# Altium PCB PCB3.PcbDoc
Units mil, origin at the board's own origin, x right, y up, seen from the top; angles counter-clockwise.
Board outline 3795 x 2975 mil, 2 copper layers (Top Layer, Bottom Layer); 23 components, 43 nets, 168 pads, 30 vias.
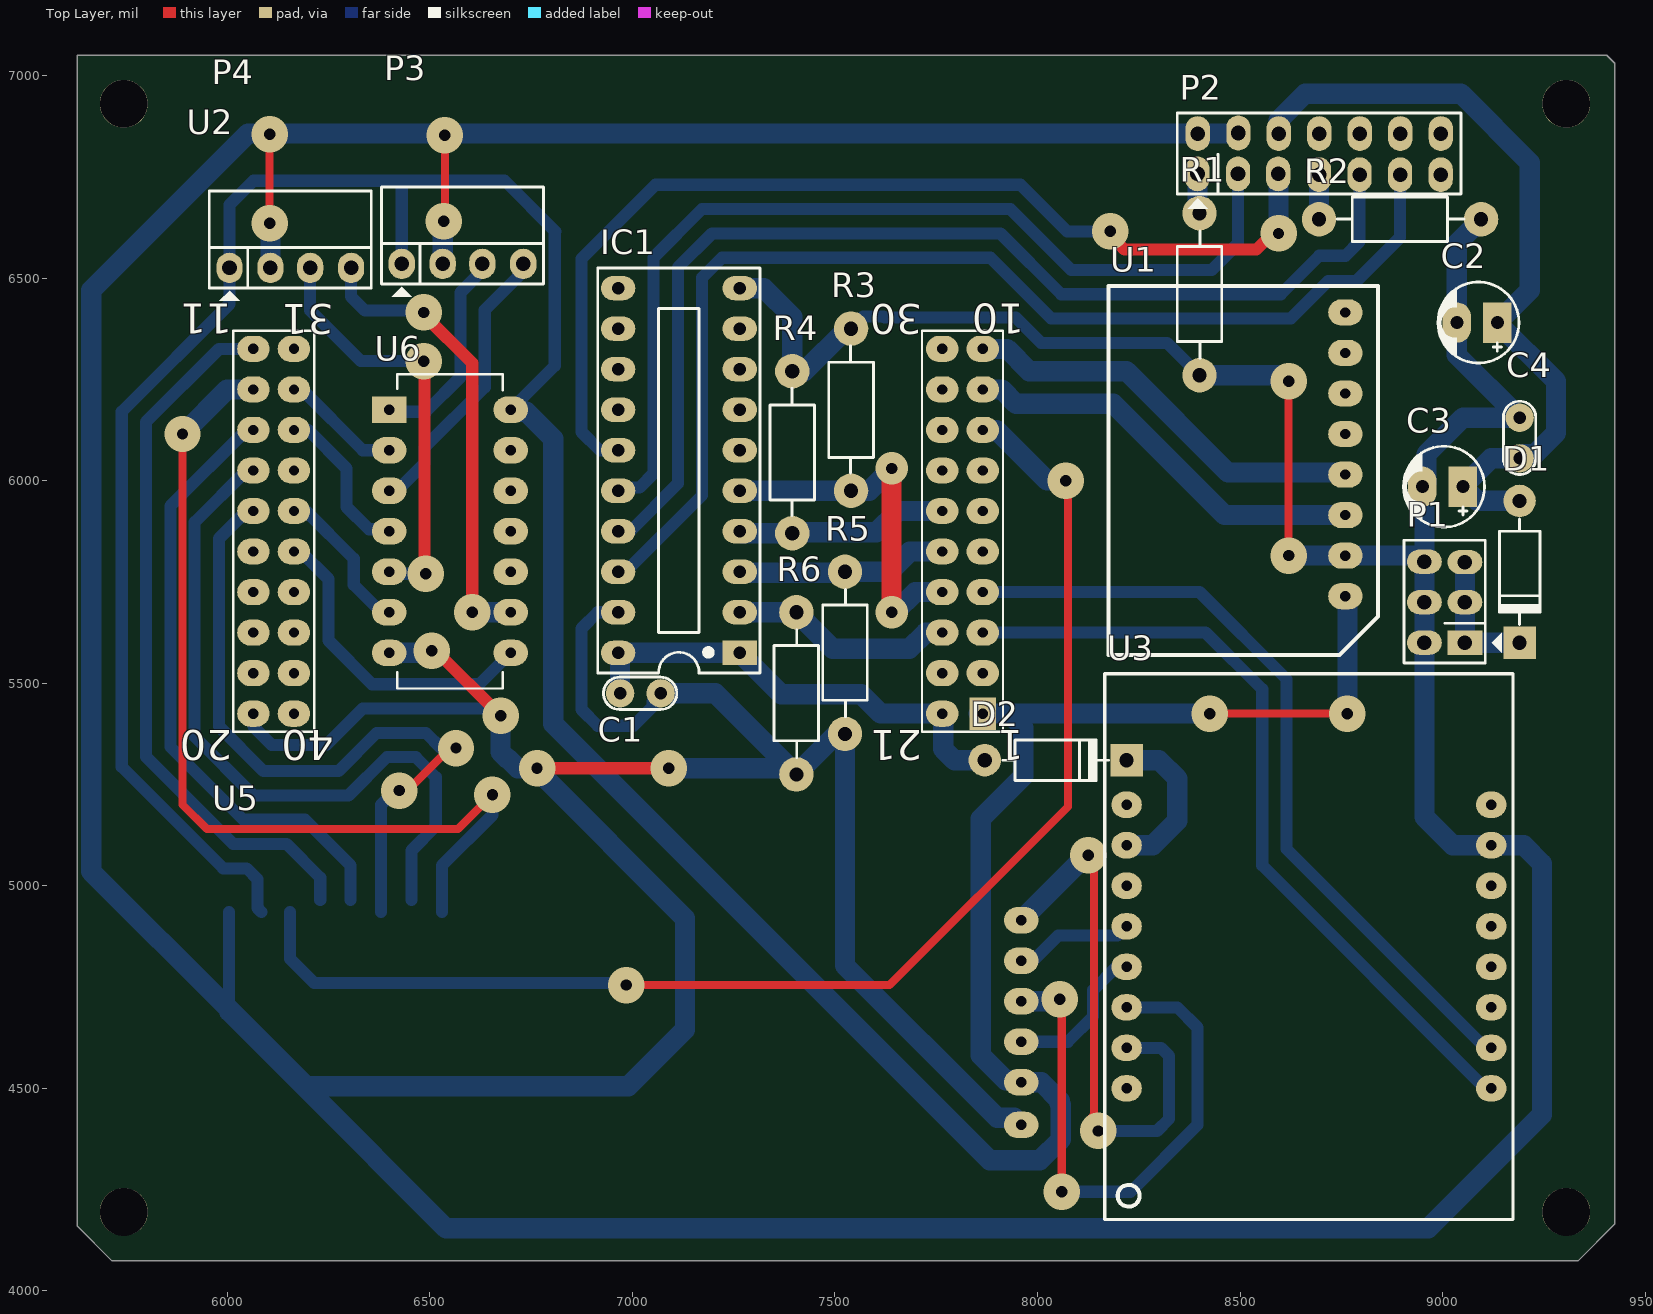
[diagram p0: Top Layer view]
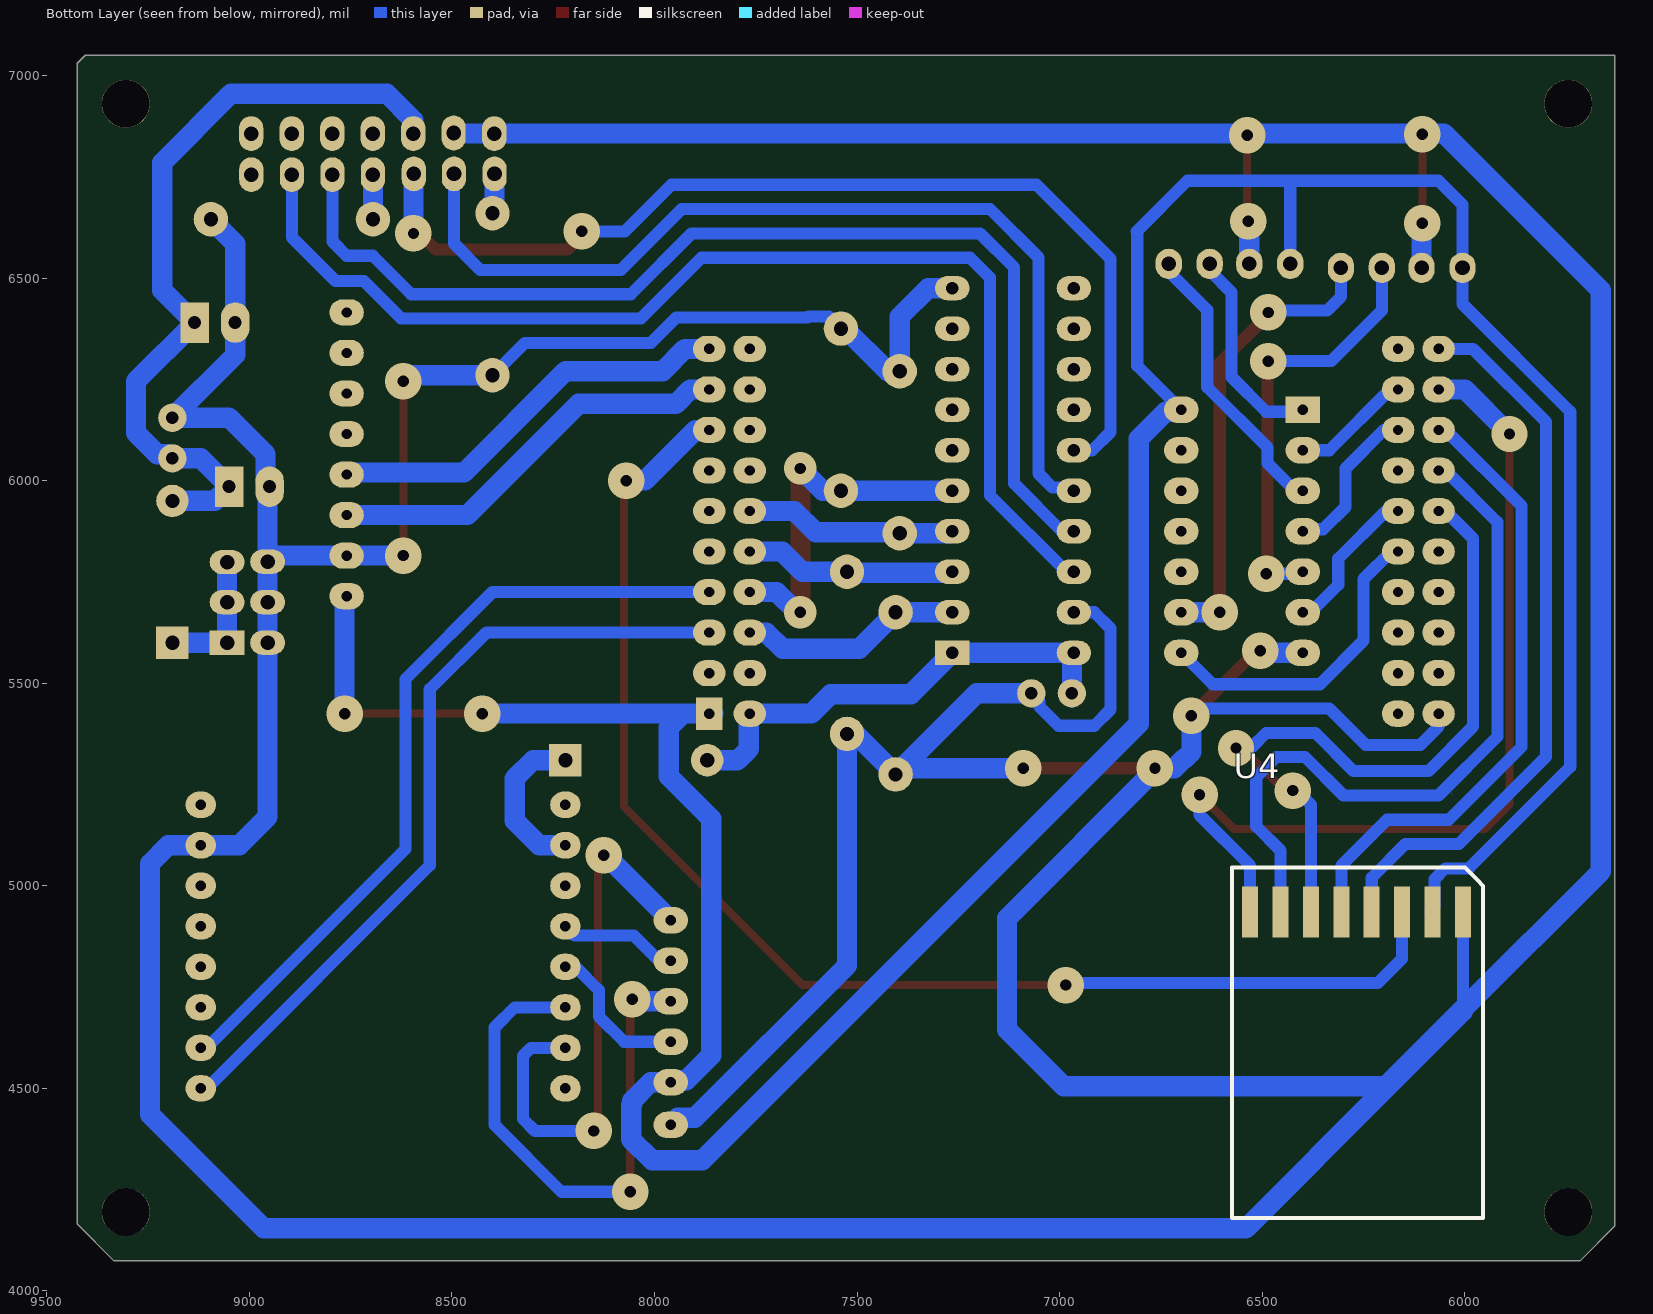
[diagram p1: Bottom Layer view, seen from below]

## Layer stack, top to bottom
Top Solder: solder mask 0.4, Solder Resist, Dk 3.5
Top Layer: signal copper 1.4
Dielectric 1: dielectric 12.6, FR-4, Dk 4.8
Bottom Layer: signal copper 1.4
Bottom Solder: solder mask 0.4, Solder Resist, Dk 3.5

## Board outline
5630,4160 5715,4075 9335,4075 9425,4165 9425,7030 9405,7050 5630,7050

## Design rules (kind name [scope] priority, off if disabled: settings)
Clearance [All] p1: gap=10 ignorepadtopadclearanceinfootprint=FALSE except(0: Arc-Hole Track-Hole SMDPad-Hole THPad-Hole Via-Hole Fill-Hole Poly-Hole Region-Hole Text-Hole; 20: Arc-Arc Arc-Via Arc-Fill Arc-Region Arc-Text Track-Via Track-Fill Track-Region Via-Via Poly-Region Poly-Text; 30: Arc-Poly Track-Track Track-SMDPad Track-THPad Track-Poly SMDPad-Poly THPad-Poly Via-Poly Fill-Poly Poly-Poly)
Height [All] p1: minheight=0 maxheight=1968.5 prefheight=492.13
PlaneConnect [All] p1: planeconnectstyle=Direct reliefexpansion=20 reliefentries=4 reliefconductorwidth=10 reliefairgap=10
PolygonConnect [All] p1: connectstyle=Direct reliefconductorwidth=10 reliefentries=4 polygonreliefangle="90 Angle" airgapwidth=10
RoutingVias [All] p1: holewidth=28 width=50 viastyle="Through Hole" minholewidth=28 minwidth=50 maxholewidth=28 maxwidth=50
SolderMaskExpansion [All] p1: expansion=4
Width [All] p1: maxlimit=50 minlimit=20 preferedwidth=30
28 further rules are at their usual default settings.

## Components (designator, comment, footprint, x,y, rotation, side; value= is the part's Value field where it differs from the comment)
C1 "Cap Non-Pol" CN1 7070,5475 r180 top
C2 "Cap Pol" CP1/2 9135,6390 r180 top
C3 "Cap Pol" CP1/2 9050,5985 r180 top
C4 "Cap Non-Pol" CN1 9190,6055 r90 top
D1 "Diode" D1A 9190,5950 r90 top
D2 "Diode" D1A 7870,5310 r180 top
IC1 "74245" DIP20 7265,5575 r90 top
P1 "Header 3X2" JP3x2 9005,5700 r90 top
P2 "Header 7X2" JP7X2 8395.5,6756.5 r0 top
P3 "Header 4H" JP4H 6431,6535 r0 top
P4 "Header 4H" JP4H 6006,6525 r0 top
R1 "RESISTOR" "RES 1/2W" 8400,6260 r90 top
R2 "RESISTOR" "RES 1/2W" 9095,6645 r180 top
R3 "RESISTOR" "RES 1/2W" 7540,6375 r270 top
R4 "RESISTOR" "RES 1/2W" 7395,6270 r270 top
R5 "RESISTOR" "RES 1/2W" 7525,5375 r90 top
R6 "RESISTOR" "RES 1/2W" 7405,5275 r90 top
U1 "MPU6050_GY521" MPU6050_GY521 7400,5630 r180 top
U2 "TM4C123GXL" EK-TM4C123GXL 6975,5895 r180 top
U3 "D1_Mini" D1_Mini 8690,4835 r0 top
U4 "CC2500_Module" CC2500_module 6420,4645 r270 bottom
U5 "SD_Card_Reader" SD_Card_Reader 8210,4825 r0 top
U6 "74HC14N" 74HC14N 6120,5435 r0 top

## Footprints (in the part's own frame and the unit in brackets; to place one, negate y for a bottom-side part, rotate by r counter-clockwise, add the part's x,y. Pads: shape width x height; smd on the part's side, far side on the other; paste and mask are expansions set on the pad)
74HC14N [mil]
  rect 85x65 hole 25.6: 1(280,740)
  oval 85x65 hole 25.6: 2(280,640) 3(280,540) 4(280,440) 5(280,340) 6(280,240) 7(280,140) 8(580,140) 9(580,240) 10(580,340) 11(580,440) 12(580,540) 13(580,640) 14(580,740)
  silkscreen extent 300,52 560,828, body extent 283,70 597,820, height 178
CC2500_module [mil]
  rect 125.98x39.37 smd: 0(-290,415) 1(-290,340) 2(-290,265) 3(-290,190) 4(-290,115) 5(-290,40) 6(-290,-35) 7(-290,-110)
  Top Layer region: -590,380 -580,390 -590,380
  silkscreen extent -400,-155 465,465, body extent -280,-71 429,401, height 67
CN1 [mil]
  round 70 hole 31: 1(0,0) 2(100,0)
  silkscreen extent -40,-40 141,40, body extent -60,-30 170,37, height 265
CP1/2 [mil] "Tu hoa < 22uF/16>50V"
  rect 70x100 hole 32: 1(0,0)
  oval 70x100 hole 32: 2(100,0)
  silkscreen extent -53,-100 147,100, body extent -49,-99 149,99, height 287
D1_Mini [mil]
  oval 75x65 hole 25.59: 1(-470,365) 2(-470,265) 3(-470,165) 4(-470,65) 5(-470,-35) 6(-470,-135) 7(-470,-235) 8(-470,-335) 9(430,-335) 10(430,-235) 11(430,-135) 12(430,-35) 13(430,65) 14(430,165) 15(430,265) 16(430,365)
  silkscreen extent -524,-658 484,688, body extent -525,-659 487,689, height 676
D1A [mil] "Diode 1N4007, W 100mil, L 350mil"
  round 80 hole 35: 1(0,0)
  rect 80x80 hole 35: 2(-350,0)
  silkscreen extent -305,-50 -45,50, body extent -386,-33 34,36, height 84
DIP20 [mil] "DIP 20, 20 PIN, W 300mil, Pin to pin 100mil"
  rect 60x85 hole 31: 1(0,0)
  oval 60x85 hole 31: 2(100,0) 3(200,0) 4(300,0) 5(400,0) 6(500,0) 7(600,0) 8(700,0) 9(800,0) 10(900,0) 11(900,300) 12(800,300) 13(700,300) 14(600,300) 15(500,300) 16(400,300) 17(300,300) 18(200,300) 19(100,300) 20(0,300)
  silkscreen extent -50,-50 950,350, body extent -54,2 954,308, height 177
EK-TM4C123GXL [mil]
  rect 65x80 hole 25.6: 1(-890,470)
  oval 80x65 hole 25.6: 2(-890,370) 3(-890,270) 4(-890,170) 5(-890,70) 6(-890,-30) 7(-890,-130) 8(-890,-230) 9(-890,-330) 10(-890,-430) 11(910,-430) 12(910,-330) 13(910,-230) 14(910,-130) 15(910,-30) 16(910,70) 17(910,170) 18(910,270) 19(910,370) 20(910,470) 21(-790,470) 22(-790,370) 23(-790,270) 24(-790,170) 25(-790,70) 26(-790,-30) 27(-790,-130) 28(-790,-230) 29(-790,-330) 30(-790,-430) 31(810,-430) 32(810,-330) 33(810,-230) 34(810,-130) 35(810,-30) 36(810,70) 37(810,170) 38(810,270) 39(810,370) 40(810,470)
  silkscreen extent -940,-475 960,515, body extent -990,-930 1010,1710, height 804
JP3x2 [mil] "Connector 3x2"
  rect 60x86 hole 36: 1(-100,-50)
  oval 60x86 hole 36: 2(0,-50) 3(99,-50) 4(-100,50) 5(0,50) 6(100,50)
  silkscreen extent -150,-141 153,100, body extent -150,-100 150,100, height 335
JP4H [mil]
  oval 65x75 hole 36: 1(0,0) 2(101,0) 3(199,0) 4(300,0)
  silkscreen extent -50,-81 350,190, body extent -46,-15 346,424, height 99
JP7X2 [mil]
  oval 60x86 hole 36: 1(-0.5,0.5) 2(99.5,0.5) 3(198.5,0.5) 4(299.5,-1.5) 5(399.5,-1.5) 6(499.5,-1.5) 7(599.5,-1.5) 8(0,100) 9(100.5,101.5) 10(200,100) 11(300,100) 12(400,100) 13(500,100) 14(600,100)
  silkscreen extent -50,-85 650,150, body extent -50,-50 650,150, height 335
MPU6050_GY521 [mil]
  oval 85x65 hole 25.6: 0(-1360,-85) 1(-1360,-185) 2(-1360,-285) 3(-1360,-385) 4(-1360,-485) 5(-1360,-585) 6(-1360,-685) 7(-1360,-785)
  silkscreen extent -1440,-850 -775,60, body extent -1412,-846 -785,-15, height 584
"RES 1/2W" [mil] "R 1/2W, 2 pin, 300mil"
  round 85 hole 35: 1(0,0) 2(400,0)
  silkscreen extent 42,-55 356,55, body extent -12,-45 414,49, height 91
SD_Card_Reader [mil]
  oval 85x65 hole 25.6: 0(-250,90) 1(-250,-10) 2(-250,-110) 3(-250,-210) 4(-250,-310) 5(-250,-415)
  body extent -2256,-652 -410,332, height 252

## Part data
C1 C4: "Capacitor"
C2 C3: "Polarized Capacitor (Radial)"
D1 D2: "Default Diode"
IC1: library part 74245_1, "Octal bus tranceiver; 3-state"
P1: "Header, 3-Pin, Dual row"
P2: "Header, 7-Pin, Dual row"
P3 P4: "Header, 4-Pin, Right Angle"
R1 R2 R3 R4 R5 R6: "Resistor"
U2: library part EK-TM4C123GXL

## Free pads (board coordinates)
  round 118.11 hole 118.11: 2(9305,6930) 3(5745,4195) 4(9305,4195) 5(5745,6930)

## Via types
v1: diameter 90, hole 28, Top Layer to Bottom Layer, 28 vias
v2: diameter 80, hole 28, Top Layer to Bottom Layer, 2 vias

## Nets (pads, with @x,y where several pads share a name; then routed paths per layer and width w, separated by ;. In a path a pad name is that pad's centre, name@x,y a point inside that pad or via, vN(x,y) a via of type N, cw(c..) or ccw(c..) an arc to the next point about the centre after c; other vN are vias at no path point)
3V3: P3.1 P4.1 U1.0 U2.1 U4.1 U5.4 U6.14 | length 8574.6
  Top Layer w20: v1(8425,5425) v1(8765,5425)
  Bottom Layer w30: U4.1@6085,4935 6075,4945 6075,5016.32 6048.32,5042.99 5990.5,5042.99 5740,5293.49 5740,6169.85 6006,6435.85 P4.1 6006,6681 6065,6740 6685,6740 6810,6615 6808.5,6613.5 6808.5,6283.5 U6.14 ; P3.1 6431,6735 ; U5.4 7970,4525 U5.4@7970,4519.6
  Bottom Layer w50: U6.14@6720,6170 6738.74,6170 6805,6103.74 6805,5400 7882.5,4322.5 8006.24,4322.5 8057.5,4373.76 8057.5,4459.37 8055,4461.87 8055,4470 8010,4515 U5.4 ; U2.1@7855,5425 U2.1 7930,5425 ; U5.4@7940,4520 7921.26,4520 7860,4581.26 7860,5165.65 7965,5270.65 7965,5390 7930,5425 ; v1(8425,5425) 7930,5425 ; U1.0 8765,5710 v1(8765,5425)
5V: C1.2 D2.1 IC1.1 IC1.20 U2.21 | length 1163.7
  Bottom Layer w50: C1.2@6970,5465 C1.2 6970,5575 IC1.1 7367.5,5472.5 7565.39,5472.5 7612.89,5425 7755,5425 7767.5,5412.5 7767.5,5337.5 7795,5310 D2.1
5VS: C2.1 C3.1 C4.1 D1.1 P2.10 | length 1934.9
  Bottom Layer w50: P2.10@8595,6871.5 8595,6889.21 8660.29,6954.5 9045.5,6954.5 9215,6785 9215,6470 C2.1 9280,6245 9280,6117.72 9227.28,6065 9200,6065 C4.1 9120,6055 C3.1 9085,5950 D1.1
CCCSN: U2.12 U4.7 | length 2302.4
  Top Layer w20: v1(5890,6115) 5890,5200 5950,5140 6570,5140 v1(6655,5225)
  Bottom Layer w30: U4.7 6530,5050 6655,5175 v1(6655,5225)
  Bottom Layer w50: v1(5890,6115) 6000,6225 U2.12
CCGDO0: U2.14 U4.6 | length 1769.7
  Bottom Layer w30: U2.14 6047.9,6025 5920,5897.1 5920,5368.05 6065.05,5222.99 6299.86,5222.99 6394.36,5317.5 6465.64,5317.5 6515,5268.14 6515,5146.86 6455,5086.86 U4.6@6455,4965
CCGDO2: U2.15 U4.5 | length 1770.5
  Top Layer w20: v1(6425,5235) 6445,5235 6550,5340 v1(6565,5340)
  Bottom Layer w30: U2.15 6047.9,5925 5980,5857.1 5980,5392.9 6089.91,5282.99 6275,5282.99 6369.51,5377.5 6490.49,5377.5 6527.99,5340 v1(6565,5340) ; U4.5 6380,5200 6415,5235 v1(6425,5235)
CCSCLK: U2.11 U4.3 | length 1774.8
  Bottom Layer w30: U2.11 5980,6325 5800,6145 5800,5318.34 6015.35,5102.99 6147.01,5102.99 6230,5020 U4.3@6230,4965
CCSI: U2.8 U4.2 | length 3311
  Top Layer w20: v1(6985,4755) 7635,4755 8075,5195 8075,6000 v1(8070,6000)
  Bottom Layer w30: U4.2 6155,4820 6215,4760 6980,4760 v1(6985,4755)
  Bottom Layer w50: U2.8 7898.73,6125 8023.73,6000 v1(8070,6000)
CCSO: U2.13 U4.4 | length 1528.2
  Bottom Layer w30: U2.13 6047.9,6125 5860,5937.1 5860,5343.19 6040.2,5162.99 6192.01,5162.99 6305,5050 U4.4@6305,4965
ENC0A: P3.3 U6.1 | length 515.4
  Bottom Layer w30: U6.1 6405,6170 6490.55,6170 6576,6255.45 6576,6464.4 6630,6518.4 P3.3
ENC0Y: U2.32 U6.2 | length 297.1
  Bottom Layer w30: U2.32 6185,6225 6335,6075 U6.2
ENC1A: P3.4 U6.3 | length 689
  Bottom Layer w30: U6.3@6419.6,5975 6487.5,6042.9 6487.5,6082.1 6636,6230.6 6636,6421 6731,6516 P3.4
ENC1Y: U2.33 U6.4 | length 411.4
  Bottom Layer w30: U2.33 6200.15,6125 6295,6030.15 6295,5935 6350,5880 6390,5880 6400,5890 U6.4
ENC2A: P4.3 U6.5 | length 1055.9
  Top Layer w30: v1(6485,6295) 6487.5,6292.5 6487.5,5772.5 v1(6490,5770)
  Bottom Layer w30: P4.3 6205,6420 6330,6295 v1(6485,6295) ; U6.5 6405,5770 v1(6490,5770)
ENC2Y: U2.35 U6.6 | length 376.3
  Bottom Layer w30: U2.35 6195,5925 6312.7,5807.3 ; 6312.5,5807.1 6312.5,5742.9 6380.4,5675 U6.6
ENC3A: P4.4 U6.9 | length 1150.9
  Top Layer w30: v1(6485,6415) 6485,6410 6605,6290 v1(6605,5675)
  Bottom Layer w30: P4.4 6306,6454 6340,6420 6480,6420 v1(6485,6415)
  Bottom Layer w50: v1(6605,5675) U6.9
ENC3Y: U2.36 U6.8 | length 791.6
  Bottom Layer w30: U2.36 6182.1,5825 6250,5757.1 6250,5605.4 6357.9,5497.5 6622.5,5497.5 U6.8
ESPRX: U2.4 U3.10 | length 1976.7
  Bottom Layer w30: U2.4@7855,5725 U2.4 8399.85,5725 8615,5509.85 8615,5090.4 9105.4,4600 U3.10
ESPTX: U2.3 U3.9 | length 1985.6
  Bottom Layer w30: U2.3@7855,5625 U2.3 8415,5625 8555,5485 8555,5050.4 9105.4,4500 U3.9
FAULT: P2.7
GND: C1.1 C2.2 C3.2 C4.2 IC1.10 IC1.19 P1.4 P1.5 P1.6 P2.8 P2.9 P3.2 P4.2 R1.1 R2.1 R3.1 R4.1 R5.1 R6.1 U1.1 U2.20 U3.15 U4.0 U5.5 U6.7 | length 20782.6
  Top Layer w20: v1(6105,6635) v1(6105,6855) ; v1(6535,6640) 6537.5,6642.5 v1(6537.5,6852.5) ; v1(8620,5815) v1(8620,6245)
  Top Layer w30: v1(6505,5580) 6515,5580 v1(6675,5420) ; v1(6765,5290) 7060,5290 7075,5305 v1(7090,5290)
  Top Layer w50: v1@6535,6850 v1(6537.5,6852.5)
  Bottom Layer w30: 6005,4690 6005,4695 U4.0 ; U2.20 6065,5392.75 6110.25,5347.5 6244.66,5347.5 6334.66,5437.5 6657.5,5437.5 v1(6675,5420) ; IC1.19 6915,5675 6875,5635 6875,5435 6915,5395 7003.14,5395 7050,5441.86 7050,5455 C1.1 ; R3.1 7570,6405 7620,6405 7622.5,6402.5 7946.49,6402.5 8008.99,6340 8320,6340 R1.1 R1.1@8415,6245
  Bottom Layer w50: 6005,4690 6190,4505 ; v1(6105,6635) 6107,6633 P4.2 ; U6.7 6500,5575 v1(6505,5580) ; P3.2 6532,6623 6530,6625 6540,6635 v1(6535,6640) ; v1(6675,5420) 6675,5330 6690,5315 6692.28,5315 6717.28,5290 v1@6760,5290 ; v1(6765,5290) v1@6760,5290 ; C1.1 7205,5475 R6.1@7390,5290 ; v1(7090,5290) R6.1@7390,5290 ; IC1.10 7325,6475 7395,6405 R4.1 7425,6270 7530,6375 R3.1 ; U5.5 7942.5,4427.5 7900.62,4427.5 7525,4803.12 R5.1 7505,5375 R6.1 R6.1@7390,5290 ; R1.1 8605,6260 v1(8620,6245) ; P2.9 8494.5,6856.5 P2.8 6051.5,6856.5 5665,6470 5665,5035 6005,4695 6190,4510 6190,4505 ; v1(8620,5815) U1.1 8940,5815 P1.6 ; R2.1 9035,6585 C2.2 9035,6310 C4.2 9050,6155 8960,6065 8960,5995 C3.2 8955,5980 P1.6 ; 6190,4505 6540,4155 8965,4155 9245,4435 9245,5055 9200,5100 U3.15 9025,5100 8955,5170 P1.4 P1.5 P1.6 ; 6190,4505 6990,4505 7130,4645 7130,4920 v1@6760,5290
GY521SCL: U1.2 U2.9 | length 1033.4
  Bottom Layer w50: U2.9@7855,6225 U2.9 7911.86,6225 7946.86,6190 8186.86,6190 8461.86,5915 U1.2
GY521SDA: U1.3 U2.10 | length 1033.4
  Bottom Layer w50: U2.10@7855,6325 U2.10 7925,6325 7980,6270 8220,6270 8470,6020 8755,6020 U1.3
M1: P2.11
M2: P2.12
M3: P2.13
NetD1_2: D1.2 P1.1 P1.2 P1.3 | length 334
  Bottom Layer w50: P1.3 P1.2 P1.1 D1.2
NetD2_2: D2.2 U3.2 | length 398.5
  Bottom Layer w50: U3.2 8285,5100 8345,5160 8345,5265 8300,5310 D2.2
OTW: P2.14
PWMA: IC1.18 P2.6 | length 2865.6
  Bottom Layer w30: IC1.18 6983.57,5775 7172.5,5963.93 7172.5,6501.07 7221.43,6550 7883.85,6550 8033.85,6400 8625.4,6400 8717.9,6492.5 8787.5,6492.5 8895,6600 P2.6
PWMA_A: IC1.2 R6.2 U2.23 | length 518.8
  Bottom Layer w50: IC1.2 R6.2 7495,5585 7683.76,5585 7723.76,5625 U2.23@7730,5625
PWMB: P2.4 R2.2 | length 110
  Bottom Layer w50: R2.2 P2.4
PWMC: IC1.15 P2.3 | length 2589.1
  Top Layer w30: v1(8180,6615) 8180,6605 8215,6570 8540,6570 8595,6625 v1(8595,6610)
  Bottom Layer w30: IC1.15 6920,6075 6875,6120 6875,6547.5 7057.5,6730 7958.41,6730 8073.41,6615 v1(8180,6615)
  Bottom Layer w50: P2.3 8595,6756 v1(8595,6610)
PWMC_A: IC1.5 R3.2 U2.24 | length 888.5
  Top Layer w50: v2(7640,5675) v2(7640,6030)
  Bottom Layer w50: IC1.5 R3.2 7585,5975 v2(7640,6030) ; v2(7640,5675) 7648.14,5675 7698.14,5725 U2.24@7755,5725
PWMD: P2.1 R1.2 | length 99.1
  Bottom Layer w50: P2.1 8395,6665 R1.2
RSTAB: IC1.17 P2.5 | length 2727.8
  Bottom Layer w30: IC1.17 6994.85,5875 7112.5,5992.65 7112.5,6525.92 7196.58,6610 7908.7,6610 8058.7,6460 8600.55,6460 8695.55,6555 8760,6555 8795,6590 P2.5
RSTAB_A: IC1.3 R5.2 U2.25 | length 514.2
  Bottom Layer w50: IC1.3 7267.5,5772.5 7525,5772.5 R5.2 7635,5775 7685,5825 U2.25@7755,5825
RSTCD: IC1.16 P2.2 | length 2391.3
  Bottom Layer w30: IC1.16 6973.22,5983.22 7018.22,5983.22 7052.5,6017.5 7052.5,6550.77 7171.73,6670 7933.55,6670 8083.55,6520 8430,6520 8495,6585 P2.2
RSTCD_A: IC1.4 R4.2 U2.26 | length 516.3
  Bottom Layer w50: IC1.4 7270,5870 R4.2 7395,5872.5 7602.5,5872.5 7655,5925 U2.26@7755,5925
SDCS: U3.7 U5.0 | length 1385.6
  Top Layer w20: v1(8125,5075) 8140,5060 8140,4433.93 8130,4423.93 8150,4403.93 v1(8150,4395)
  Bottom Layer w30: v1(8150,4395) 8295,4395 8325,4425 8325,4580 8305,4600 U3.7
  Bottom Layer w50: U5.0 8120,5075 v1(8125,5075)
SDMISO: U3.5 U5.3 | length 374.7
  Bottom Layer w30: U5.3 8075,4615 8137.5,4677.5 8137.5,4742.5 8195,4800 U3.5
SDMOSI: U3.6 U5.2 | length 1465.6
  Top Layer w20: v1(8055,4720) 8055,4725 8045,4715 8060,4700 v1(8060,4245) 8060,4235 v1@8055,4230 ; v1@8055,4230 8055,4225 8050,4230 v1@8055,4230
  Bottom Layer w30: v1(8060,4245) 8230,4245 8395,4410 8395,4650 8345,4700 U3.6
  Bottom Layer w50: U5.2 8050,4715 v1(8055,4720)
SDSCK: U3.4 U5.1 | length 295.2
  Bottom Layer w30: U5.1 7988.99,4815 8051.49,4877.5 8197.5,4877.5 U3.4
pads on no net: IC1.6 IC1.7 IC1.8 IC1.9 IC1.11 IC1.12 IC1.13 IC1.14 U1.4 U1.5 U1.6 U1.7 U2.2 U2.5 U2.6 U2.7 U2.16 U2.17 U2.18 U2.19 U2.22 U2.27 U2.28 U2.29 U2.30 U2.31 U2.34 U2.37 U2.38 U2.39 U2.40 U3.1 U3.3 U3.8 U3.11 U3.12 U3.13 U3.14 U3.16 U6.10 U6.11 U6.12 U6.13

## Silkscreen, mask and mechanical layers (free items; w line width, h text height)
Mechanical 15:
  the board outline again, w10

## Text inside footprints (layer, text, board x,y; h text height)
U2: Top Overlay "40" at 6263.62,5383.76 h73.82 r180; Top Overlay "31" at 6263.6,6435.84 h73.82 r180; Top Overlay "30" at 7716.08,6435.56 h73.82 r180; Top Overlay "21" at 7716.08,5384.05 h73.82 r180; Top Overlay "20" at 6012.89,5383.62 h73.82 r180; Top Overlay "11" at 6012.78,6436.01 h73.82 r180; Top Overlay "10" at 7967.62,6436.15 h73.82 r180; Top Overlay "1" at 7966.79,5383.86 h73.82 r180